# Altium PCB DB46.PcbDoc (part 3 of 6) (continued)
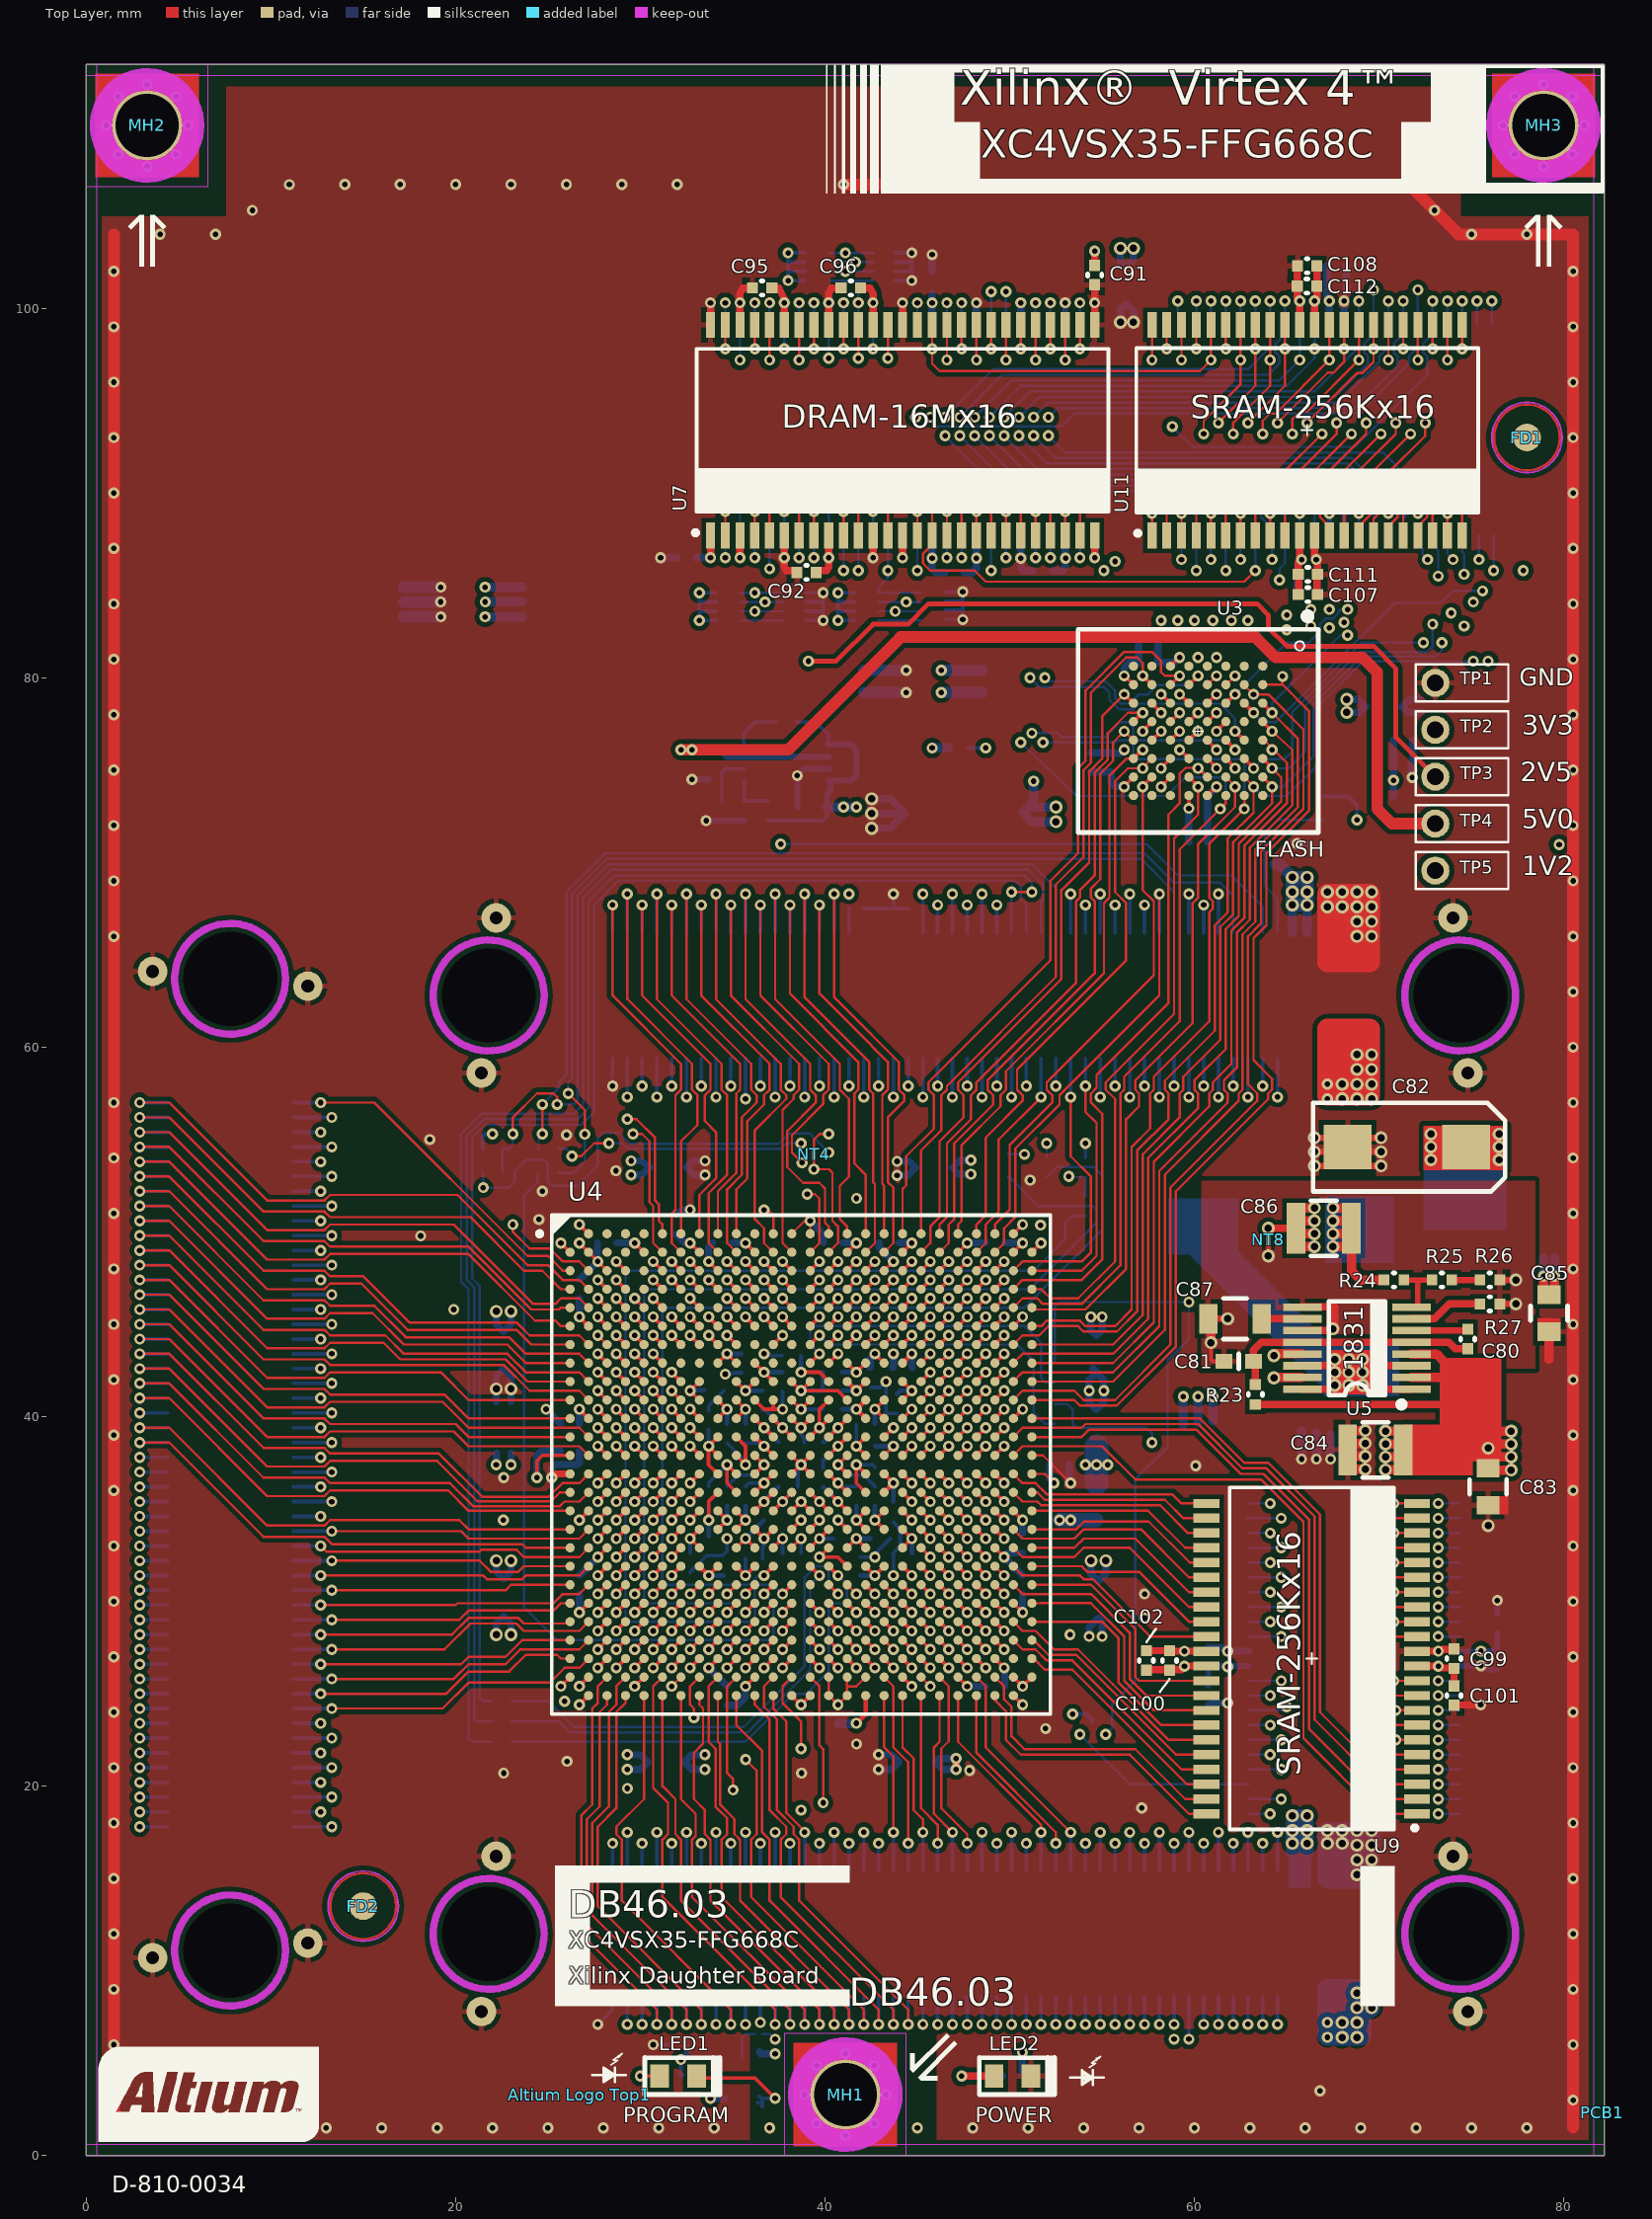
[diagram p0: Top Layer view]
## Nets (pads, with @x,y where several pads share a name; then routed paths per layer and width w, separated by ;. In a path a pad name is that pad's centre, name@x,y a point inside that pad or via, vN(x,y) a via of type N, cw(c..) or ccw(c..) an arc to the next point about the centre after c; other vN are vias at no path point) (continued)
  Bottom Layer w0.127: v2(49.7,94.1) 51.1,95.5 66.5,95.5 68.9,97.9 68.9,99.1 v2(68.9,100.4) ; v2@49.7,100.9 v2(49.8,100.9) U8.48@49.8,99.1
BUS_D29: U4.F17 U8.50 U12.36 | length 108.9
  Top Layer w0.2: U4.F17@42.2,44.9 v1(42.7,45.4)
  MidLayer2 w0.127: v2(50.5,94.1) 50.5,95.6 51.9,97 51.9,97.4 51.4,97.9 v2(51.4,100.3)
  MidLayer3 w0.127: v1(42.7,45.4) 43.2,45.9 43.2,48.7 43.8,49.3 43.8,51.5 43.8,51.8 44.9,52.9 49,57 49,57.5 48.7,57.8 48.7,58.1 49.9,59.3 49.9,67.8 49.6,68.1 49.6,68.6 51.7,70.7 62.9,70.7 70.2,78 70.2,86.4 71,87.2 71,89.1 70.6,89.5 70.4,89.5 69.9,90 69.9,90.4 69.6,90.7 69.6,93.4 69.8,93.6 69.8,94.1 69.7,94.2 69.7,97.1 70.2,97.6 70.2,98 69.7,98.5 v2(69.7,101)
  Bottom Layer w0.127: v2(50.5,94.1) 51.6,95.2 67.6,95.2 69.4,97 69.4,97.4 69.2,97.6 69.2,98.1 69.7,98.6 69.7,99.1 v2(69.7,101) ; U8.50@51.4,99.1 v2(51.4,100.3)
BUS_D30: U4.F19 U8.51 U12.37 | length 106.1
  Top Layer w0.2: U4.F19@44.2,44.9 v1(44.7,45.4)
  MidLayer2 w0.127: v2(51.3,94.1) 51.3,95.7 52.5,96.9 52.5,97.4 52.7,97.6 52.7,98 52.2,98.5 v2(52.2,100.3)
  MidLayer3 w0.127: v1(44.7,45.4) 45.2,45.9 45.2,51.5 45.2,51.8 45.2,52 49.4,56.2 49.8,56.2 50.6,57 50.6,57.5 50.3,57.8 50.3,58.3 51.8,59.8 51.8,69.1 52.8,70.1 63.1,70.1 70.8,77.8 70.8,86.2 71.6,87 71.6,89.1 71.8,89.3 71.8,90.6 70.6,91.8 70.6,93.4 70.4,93.6 70.4,94.1 70.5,94.2 70.5,96.4 71,96.9 71,97.4 70.5,97.9 v2(70.5,100.4)
  Bottom Layer w0.127: v2(51.3,94.1) 52.1,94.9 67.8,94.9 70,97.1 70,97.4 70.5,97.9 70.5,99.1 v2(70.5,100.4) ; U8.51@52.2,99.1 v2(52.2,100.3)
BUS_D31: U4.F20 U8.53 U12.38 | length 106.8
  Top Layer w0.2: U4.F20@45.2,44.9 v1(45.7,45.4)
  MidLayer2 w0.127: v2(52.1,94.1) 52.1,95.4 54.3,97.6 54.3,98.1 53.8,98.6 v2(53.8,100.3)
  MidLayer3 w0.127: v1(45.7,45.4) 46.2,45.9 46.2,49.1 46.6,49.5 46.6,50.6 49.9,53.9 49.9,54.7 52.2,57 52.2,57.5 51.9,57.8 51.9,58.2 52.4,58.7 52.4,68.7 53.2,69.5 63.3,69.5 71.6,77.8 71.6,86.2 72.6,87.2 72.6,89.1 72.4,89.3 72.4,89.7 72.8,90.1 72.8,90.5 71.2,92.1 71.2,93.4 71.4,93.6 71.4,94.1 71.3,94.2 71.3,97.1 71.8,97.6 71.8,98 71.3,98.5 v2(71.3,100.4)
  Bottom Layer w0.127: v2(52.1,94.1) 52.6,94.6 68.7,94.6 71,96.9 71,97.4 70.8,97.6 70.8,98.1 71.3,98.6 v2(71.3,100.4) ; U8.53@53.8,99.1 v2(53.8,100.3)
BUS_FLASH_NBUSY: U3.A4 U4.J25 | length 45.7
  Top Layer w0.127: U4.J25@50.2,41.9 50.7,42.4 52.8,42.4 53.1,42.4 55.6,42.4 58.1,44.9 58.1,53.3 61.8,57 61.8,57.5 61.6,57.7 61.6,58.2 62.3,58.9 62.3,66.2 63,66.9 63,70.8 65.3,73.1 65.3,76.1 v1(64.2,77.1)
  Top Layer w0.2: U3.A4@63.7,77.625 v1(64.2,77.1)
BUS_FLASH_NCS: U3.F2 U4.A19 | length 41.3
  Top Layer w0.127: U4.A19@44.2,49.9 44.2,51.5 44.2,51.8 44.2,52.325 44.4,52.525 44.4,54.1 45.9,55.6 45.9,57.4 45.6,57.7 45.6,58.1 52.2,64.7 52.2,69 53.7,70.5 53.7,75.1 54.1,75.5 54.1,79.3 56.2,81.4 57.7,81.4 58.2,80.9 58.2,80.3 58.4,80.1 v1(59.2,80.1) ; U3.F2@58.675,79.625 U3.F2@58.7,79.625
  Top Layer w0.2: U3.F2@58.7,79.625 v1(59.2,80.1)
BUS_FLASH_NRESET: U3.B5 U4.M23 | length 65.1
  Top Layer w0.2: U4.M23@48.2,38.9 v1(48.7,39.4) ; v1(62.2,77.1) U3.B5@62.7,76.625
  MidLayer1 w0.127: v1(48.7,39.4) 49.2,39.9 52.8,39.9 53.1,39.9 54.7,39.9 59,44.2 59,53.1 62.4,56.5 63.4,56.5 64,57.1 64,57.5 64.6,58.1 64.6,69.6 65,70 65,76.2 64.6,76.6 63.7,76.6 63.2,77.1 v1(62.2,77.1)
  Bottom Layer w0.127: v1(51.1,80) 51.6,79.5 55.1,79.5 55.4,79.2 55.4,78.8 55.9,78.3 56.7,78.3 57,78.6 61.4,78.6 62.2,77.8 v1(62.2,77.1)
BUS_NBE0: RN1.6 RN4.7 U4.E10 U7.15 U11.39 | length 107.9
  Top Layer w0.127: U7.15@45,87.7 v2(45,89) ; v2(61.7,97.8) U11.39@61.7,99.1
  Top Layer w0.2: v1(34.7,46.4) U4.E10@35.2,45.9
  MidLayer2 w0.127: v1(34.7,46.4) 34.2,46.9 34.2,51.5 34.2,51.8 34.2,54.9 36.2,56.9 36.2,57.4 35.9,57.7 35.9,58 36.7,58.8 41,58.8 42.7,60.5 42.7,68.1 44.1,69.5 51.4,69.5 53.4,71.5 53.4,75.9 54.1,76.6 54.1,82 60.2,88.1 61.4,88.1 62,88.7 62,89.1 62.2,89.3 62.2,89.7 61.6,90.3 61.6,93.4 61.8,93.6 61.8,94.1 61.7,94.2 v2(61.7,97.8) ; v1@44.25,84.1 44.25,85.75 45,86.5 v2(45,89)
  MidLayer3 w0.127: v2(45,89) 45,92.9 44.4,93.5 44.4,95.7 47.3,98.6 60.9,98.6 v2(61.7,97.8)
  Bottom Layer w0.127: RN1.6@42.89,84.1 RN4.7@45.21,84.1
  other v1: 44.4,84.1
BUS_NBE1: RN3.5 RN5.8 U4.B6 U7.39 U11.40 | length 101.7
  Top Layer w0.127: v1(29.6,55.3) 30.1,55.3 30.5,54.9 30.5,51.6 30.7,51.4 30.7,49.4 U4.B6@31.2,48.9 ; U7.39@45.8,99.1 v2(45.8,97.8) 45.8,97 46.2,96.6 60.3,96.6 v2(60.9,97.2) U11.40@60.9,99.1
  MidLayer2 w0.127: v1(29.6,55.3) 33.1,55.3 35.5,57.7 35.5,58 36.6,59.1 40.9,59.1 42.4,60.6 42.4,68.2 44,69.8 51.2,69.8 53.1,71.7 53.1,76.1 53.8,76.8 53.8,82.1 60.1,88.4 61.2,88.4 61.4,88.6 61.4,89.1 61.1,89.4 61.1,93.3 60.8,93.6 60.8,94.1 60.9,94.2 v2(60.9,97.2)
  MidLayer3 w0.127: v1@41.095,103 42,103 43.4,101.6 43.4,100.2 v2@45.8,97.8
  Bottom Layer w0.127: RN3.5@40.29,103 RN5.8@42.6,103
  other v1: 41.1,103
BUS_NBE2: RN1.5 RN4.8 U4.C16 U8.15 U12.39 | length 123.8
  Top Layer w0.178: U4.C16@41.2,47.9 v1(41.7,48.4)
  MidLayer2 w0.127: v1(41.7,48.4) 42.2,48.9 42.2,51.5 42.2,51.8 42.2,53.4 43.2,54.4 46,54.4 46.2,54.6 48.3,56.7 48.8,56.7 50.4,58.3 50.4,68 50.6,68.2 50.6,68.5 51,68.9 51.7,68.9 54,71.2 54,75.6 55.4,77 55.4,80.7 56.6,81.9 62.5,81.9 62.9,81.5 69,81.5 72.7,85.2 72.7,85.7 73.2,86.2 73.2,89.1 73.4,89.3 73.4,89.7 73.2,89.9 73.2,94.8 72.6,95.4 72.6,97.4 72.1,97.9 v2(72.1,101)
  MidLayer3 w0.127: v2(43.4,85.8) 43.4,86.6 45.5,88.7 45.5,89.2 45.3,89.4 45.3,93.7 v2(45.7,94.1)
  Bottom Layer w0.127: U8.15@43.4,87.7 v2(43.4,85.8) 43.4,85.4 42.9,84.9 42.9,84.61 42.89,84.6 RN4.8@45.2,84.6 ; v2@45.7,93.9 46,93.6 52.8,93.6 53.5,94.3 68.9,94.3 71.6,97 71.6,97.4 72.1,97.9 72.1,99.1 v2(72.1,101)
BUS_NBE3: RN3.6 RN5.7 U4.E17 U8.39 U12.40 | length 127.8
  Top Layer w0.2: U4.E17@42.2,45.9 v1(42.7,46.4)
  MidLayer1 w0.127: v2(44.9,94.1) 45.4,93.6 v2(58.8,93.6)
  MidLayer2 w0.127: v2(42.6,97.8) 42.6,96.4 v2(44.9,94.1) ; v1(42.7,46.4) 43.2,46.9 43.2,49.5 43.8,50.1 43.8,51.5 43.8,51.8 43.8,52.1 44.5,52.8 44.5,53.6 45,54.1 46.1,54.1 47.2,55.2 48.4,56.4 50.1,56.4 51.4,57.7 51.4,67.8 51.7,68.1 51.7,68.4 54.3,71 54.3,75.4 55.7,76.8 55.7,80.6 56.7,81.6 62.4,81.6 62.8,81.2 69.8,81.2 71,82.4 73.1,82.4 73.4,82.7 73.4,84.1 74.1,84.8 74.1,85.8 74.5,86.2 74.5,89.2 74.2,89.5 74.2,90.8 73.5,91.5 73.5,95.25 73.2,95.55 73.2,97.4 73.4,97.6 73.4,98.2 72.9,98.7 v2(72.9,100.4)
  MidLayer3 w0.127: v1@41.695,102.5 43.1,101.095 43.1,98.3 v2(42.6,97.8)
  Bottom Layer w0.127: RN3.6@40.29,102.5 v1(41.65,102.5) RN5.7@42.575,102.5 RN5.7@42.61,102.5 ; v2(42.6,97.8) U8.39@42.6,99.1 ; v2(58.8,93.6) 59.9,92.5 68.7,92.5 72.6,96.4 72.6,97.4 72.4,97.6 72.4,98.1 72.9,98.6 72.9,99.1 v2(72.9,100.4)
BUS_NOE: U3.G2 U4.A20 U11.41 U12.41 | length 97.9
  Top Layer w0.127: U4.A20@45.2,49.9 45.2,51.5 45.2,51.8 45.2,54.4 46.3,55.5 46.3,57.4 46.6,57.7 46.6,57.9 52.5,63.8 52.5,68.8 54,70.3 54,75 54.4,75.4 54.4,79.2 56.3,81.1 56.9,81.1 57.2,80.8 v1@57.2,80.125 ; v1@57.3,80.025 57.3,80.1 v1@57.3,80.125 ; v2(60.1,97.8) U11.41@60.1,99.1
  Top Layer w0.2: v1@57.2,80.125 57.213,80.113 57.3,80.025 U3.G2@57.7,79.625
  MidLayer3 w0.127: v2(73.7,100.4) 73.7,97.9 74.7,96.9 74.7,90.4 74.3,90 74.3,89.5 74.5,89.3 74.5,86.2 74.1,85.8 74.1,84.2 73.9,84 v1(73.9,83.5)
  MidLayer4 w0.127: v1(57.2,80.1) 57.2,82.9 58.5,84.2 73.2,84.2 v1(73.9,83.5) ; v2(60.1,97.8) 60.1,96.9 60.3,96.7 73.9,96.7 74.2,97 74.2,97.4 73.7,97.9 v2(73.7,100.4)
  Bottom Layer w0.127: U12.41@73.7,99.1 v2(73.7,100.4)
BUS_NWE: RN1.7 RN4.6 U3.A5 U4.H26 U7.16 U8.16 U11.17 U12.17 | length 121.6
  Top Layer w0.127: U7.16@45.8,87.7 v2(45.8,89.6) ; U7.16@45.8,87.9 45.8,87.2 45.3,86.7 45.3,86.2 45.7,85.8 48.1,85.8 48.7,85.2 62.7,85.2 v1(63.3,85.8) ; U4.H26@51.2,42.9 52.8,42.9 53.1,42.9 55.6,42.9 57.8,45.1 57.8,53.8 60.8,56.8 60.8,57.5 61,57.7 61,58.1 62,59.1 62,66.3 62.7,67 62.7,70.9 65,73.2 65,75.4 63.775,76.625 U3.A5@63.7,76.625 ; U11.17@70.5,87.7 70.5,88.2 71,88.7 71,89.1 70.8,89.3 70.8,89.8 v1(71.3,90.3)
  MidLayer1 w0.127: v1(64.2,76.1) 63.7,76.1 63.2,76.6 62,76.6 61.7,76.9 61.7,78.3 61.4,78.6 60.9,78.6 60.7,78.8 60.7,79.3 61,79.6 61.4,79.6 61.7,79.9 61.7,80.3 62,80.6 63.3,80.6 63.9,81.2 69.3,81.2 71.1,83 71.1,89 70.8,89.3 70.8,89.8 v1(71.3,90.3)
  MidLayer2 w0.127: v2(42.6,89) 42.6,87.2 43.1,86.7 43.1,86.3 42.9,86.1 42.9,84.4 v1@43.7,83.6
  MidLayer4 w0.127: v2(42.6,89) 43.7,89 44.3,89.6 v2(45.8,89.6) ; v1(63.3,85.8) 62.4,85.8 62,86.2 62,86.7 63.6,88.3 69.2,88.3 v1@71.25,90.35
  Bottom Layer w0.127: U8.16@42.6,87.7 v2(42.6,89) ; RN1.7@42.88,83.6 45.2,83.6 RN4.6@45.21,83.6 ; v1(63.3,85.8) U12.17@63.3,87.7
  other v1: 43.8,83.6
BUS_SDRAM_CKE: RN3.7 RN5.6 U4.G17 U7.37 U8.37 | length 83.5
  Top Layer w0.127: v2(47.4,97.8) U7.37@47.4,99.1
  Top Layer w0.2: U4.G17@42.2,43.9 v1(42.7,44.4)
  MidLayer3 w0.127: v2(41,100.3) 41,101 41.12,101.12 v1@41.12,102 ; v2(47.4,97.8) 47.4,97 49.5,94.9 53.3,94.9 55.7,92.5 v1(55.7,86.3)
  MidLayer4 w0.127: v2(41,100.3) 41.6,100.9 42.8,100.9 44.6,99.1 46.1,99.1 v2(47.4,97.8) ; v1(42.7,44.4) 43.2,44.9 43.2,49.1 44.2,50.1 44.2,51.5 44.2,51.8 44.2,52.6 44.4,52.8 44.4,57.3 43.9,57.8 43.9,66.2 46.1,68.4 46.1,68.7 48.6,71.2 53.1,71.2 54.1,72.2 54.1,82.5 55.7,84.1 v1(55.7,86.3)
  Bottom Layer w0.127: U8.37@41,99.1 v2(41,100.3) ; v1@41.075,102 40.29,102 RN5.6@42.575,102 RN5.6@42.61,102
  other v1: 41.1,102
BUS_SDRAM_CLK: NT4.2 RN3.8 RN5.5 U4.F13 U7.38 U8.38 | length 86.7
  Top Layer w0.127: NT4.2@39.4,54.471 39.4,55 39.7,55.3 v1(40.2,55.3) ; v2(46.6,97.2) U7.38@46.6,99.1
  Top Layer w0.2: v1(37.7,45.4) U4.F13@38.2,44.9
  MidLayer3 w0.127: v1(37.7,45.4) 37.2,45.9 37.2,49.699 36.195,50.703 36.195,53.177 36.854,53.835 36.854,54.456 37.698,55.3 v1(40.2,55.3) ; v2(46.6,97.2) 49.2,94.6 53.1,94.6 55.1,92.6 v1(55.1,85.8)
  MidLayer4 w0.127: v1(40.2,55.3) 41,55.3 43.459,57.76 43.459,67.309 47.65,71.5 53,71.5 53.8,72.3 53.8,82.6 55.4,84.2 55.4,85.1 55.1,85.4 v1(55.1,85.8) ; v2(41.8,100.3) 43.3,98.8 45.7,98.8 46.6,97.9 v2(46.6,97.2)
  Bottom Layer w0.127: RN3.8@40.29,101.5 RN5.5@42.575,101.5 RN5.5@42.61,101.5 ; U8.38@41.8,99.1 41.8,101.5
BUS_SDRAM_FEEDBACK: NT4.1 U4.B15 | length 6.3
  Top Layer w0.127: NT4.1@39.395,53.962 v1(39.395,53.391) 40.208,53.391 40.4,53.199 40.4,51.8 40.4,51.5 40.4,50.6 40.7,50.3 40.7,49.4 U4.B15@40.2,48.9
BUS_SDRAM_NCAS: RN2.7 RN6.6 U4.G18 U7.17 U8.17 | length 80
  Top Layer w0.127: U7.17@46.6,87.7 46.6,88.9 v1(46.6,89)
  Top Layer w0.2: U4.G18@43.2,43.9 v1(43.7,44.4)
  MidLayer3 w0.127: v1@36.175,83.6 37.1,83.6 38.6,85.1 41.1,85.1 v2(41.8,85.8)
  MidLayer4 w0.127: v2(41.8,85.8) 41.8,86.4 42.4,87 44.6,87 v1(46.6,89) 48.017,87.3 55.4,87.3 56.2,86.5 56.2,84.1 54.4,82.3 54.4,72.1 53.2,70.9 48.8,70.9 46.4,68.5 46.4,68.1 46.6,67.9 46.6,59.8 45.1,58.3 45.1,57.8 44.7,57.4 44.7,51.8 44.7,51.5 44.7,50.2 44.2,49.7 44.2,44.9 v1(43.7,44.4)
  Bottom Layer w0.127: RN2.7@35.39,83.6 36.175,83.6 RN6.6@37.675,83.6 RN6.6@37.71,83.6 ; v2(41.8,85.8) U8.17@41.8,87.7
  other v1: 36.2,83.6
BUS_SDRAM_NCS: RN2.5 RN6.8 U4.G19 U7.19 U8.19 | length 84.5
  Top Layer w0.127: U7.19@48.2,87.7 v2(48.2,89)
  Top Layer w0.2: U4.G19@44.2,43.9 v1(44.7,44.4)
  MidLayer3 w0.127: v1(36.2,84.6) 36.7,84.6 37.047,84.947 37.8,85.7 40.1,85.7 40.7,86.3 40.7,87.3 40.2,87.8 v2(40.2,89.6)
  MidLayer4 w0.127: v2(40.2,89.6) 40.2,88.9 41.2,87.9 44.8,87.9 46.4,89.5 46.8,89.5 47.3,89 v2(48.2,89) 49.6,87.6 55.5,87.6 56.5,86.6 56.5,83.9 55.4,82.8 55.4,72.7 53.3,70.6 49.6,70.6 47.4,68.4 47.4,68.1 47.2,67.9 47.2,59.8 45.5,58.1 45.5,57.8 45.8,57.5 45.8,56.7 45.2,56.1 45.2,51.8 45.2,51.5 45.2,44.9 v1(44.7,44.4)
  Bottom Layer w0.127: v1(36.2,84.6) 35.39,84.6 RN6.8@37.675,84.6 RN6.8@37.7,84.6 ; U8.19@40.2,87.7 v2(40.2,89.6)
BUS_SDRAM_NRAS: RN2.6 RN6.7 U4.G20 U7.18 U8.18 | length 79.9
  Top Layer w0.127: U7.18@47.4,87.7 v1(47.4,89.6)
  Top Layer w0.2: U4.G20@45.2,43.9 v1(45.7,44.4)
  MidLayer1 w0.127: v2(41,85.8) 42.9,87.7 44.6,87.7 46.5,89.6 v1(47.4,89.6)
  MidLayer3 w0.127: v1(36.75,84.1) 38.05,85.4 40.6,85.4 v2(41,85.8)
  MidLayer4 w0.127: v1(45.7,44.4) 46.2,44.9 46.2,51.5 46.2,51.8 46.2,57.3 48.3,59.4 48.3,67.8 48,68.1 48,68.6 49.7,70.3 53.4,70.3 55.7,72.6 55.7,82.6 56.8,83.7 56.8,86.7 55.6,87.9 50,87.9 48.3,89.6 v1(47.4,89.6) v1@47.2,89.7
  Bottom Layer w0.127: RN2.6@35.39,84.1 v1(36.75,84.1) RN6.7@37.675,84.1 RN6.7@37.71,84.1 ; v2(41,85.8) U8.18@41,87.7
BUS_SRAM_NCS: U4.G9 U11.6 U12.6 | length 92.6
  Top Layer w0.127: U11.6@61.7,87.7 61.7,89 v2(61.7,89.5)
  Top Layer w0.2: v1(33.7,44.4) U4.G9@34.2,43.9
  MidLayer2 w0.127: v1(33.7,44.4) 34.2,44.9 35.1,44.9 35.2,45 35.2,51.5 35.2,51.8 35.2,55.2 36.8,56.8 36.8,57.5 37.8,58.5 41.1,58.5 43,60.4 43,66.8 45.4,69.2 51.5,69.2 53.7,71.4 53.7,75.7 54.4,76.4 54.4,80.125 56.475,82.2 62.6,82.2 63,81.8 68.8,81.8 72.2,85.2 72.2,85.975 v2(72.625,86.4)
  MidLayer4 w0.127: v2(61.7,89.5) 61.7,86.5 61.2,86 61.2,85.5 61.9,84.8 71.025,84.8 v2(72.625,86.4)
  Bottom Layer w0.127: U12.6@72.1,87.7 72.1,87.209 72.363,86.946 72.363,86.663 v2(72.625,86.4)
BUZZER: HDR_B1.40 U4.AF18 | length 9.7
  Top Layer w0.127: U4.AF18@43.2,24.9 43.2,23.3 43.2,23 43.2,22.1 43.7,21.6 v2(43.7,17.5)
  Bottom Layer w0.2: HDR_B1.40@43.7,15.4 v2(43.7,17.5)
CAN_RXD: HDR_T1.14 U4.A10 | length 21.6
  Top Layer w0.127: v2(33.3,67.7) 33.3,62.8 37,59.1 37,57.7 36.7,57.4 36.7,56.9 35.8,56 35.8,52.9 35.2,52.3 35.2,51.8 35.2,51.5 U4.A10@35.2,49.9
  Bottom Layer w0.2: HDR_T1.14@33.3,66.2 v2(33.3,67.7)
CAN_TXD: HDR_T1.16 U4.B12 | length 24.2
  Top Layer w0.127: v2(34.1,68.3) 34.1,62.6 37.6,59.1 37.6,57.7 37.9,57.4 37.9,57.2 36.2,55.5 36.2,51.8 36.2,51.5 36.2,50.7 36.7,50.2 36.7,49.4 U4.B12@37.2,48.9
  Bottom Layer w0.2: HDR_T1.16@34.1,66.2 v2(34.1,68.3)
CCLK: R17.2 U4.G14 | length 17.1
  Top Layer w0.2: U4.G14@39.2,43.9 39.687,44.412 v1@39.7,44.425
  Bottom Layer w0.127: v1(39.7,44.4) 40.2,43.9 50.4,43.9 51.3,43 51.3,40.2 51.888,39.612 R17.2@52.451,39.612
COMP: C80.2 U5.6 | length 3.1
  Top Layer w0.35: U5.6@71.744,44.659 74.734,44.659 C80.2@74.8,44.725
DAU_RESET_SW: HDR_B1.38 U4.AC15 | length 14
  Top Layer w0.2: U4.AC15@40.2,27.9 v1(40.7,27.4)
  MidLayer1 w0.127: v1(40.7,27.4) 40.2,26.9 40.2,23.3 40.2,23 40.2,22 42.9,19.3 v2(42.9,16.9)
  Bottom Layer w0.2: HDR_B1.38@42.9,15.4 v2(42.9,16.9)
DAU_TFT_BLIGHT: HDR_B1.91 U4.AA14 | length 48.9
  Top Layer w0.2: U4.AA14@39.2,29.9 v1(39.7,29.4)
  MidLayer3 w0.127: v1(39.7,29.4) 40.2,28.9 40.2,23.3 40.2,23 40.2,21.2 40.5,20.9 40.5,18.4 38.6,16.5 38.6,12.4 40.9,10.1 62.3,10.1 64.5,7.9 v2(64.5,7.1)
  Bottom Layer w0.2: v2(64.5,7.1) HDR_B1.91@64.5,8.6
DAU_TFT_BLUE0: HDR_B1.62 U4.AF23 | length 11.3
  Top Layer w0.127: U4.AF23@48.2,24.9 48.2,23.3 48.2,23 48.2,21.8 52.5,17.5 v2(52.5,16.9)
  Bottom Layer w0.2: HDR_B1.62@52.5,15.4 v2(52.5,16.9)
DAU_TFT_BLUE1: HDR_B1.64 U4.AE23 | length 12.6
  Top Layer w0.127: U4.AE23@48.2,25.9 48.7,25.4 48.7,23.3 48.7,23 48.7,22.1 v2@53.3,17.5
  Bottom Layer w0.2: HDR_B1.64@53.3,15.4 v2(53.3,17.5)
DAU_TFT_BLUE2: HDR_B1.66 U4.W7 | length 41.1
  Top Layer w0.2: v1(31.7,31.4) U4.W7@32.2,31.9
  MidLayer4 w0.127: v1(31.7,31.4) 31.2,30.9 30.4,30.9 30.2,30.7 30.2,23.3 30.2,23 30.2,19.1 33.2,16.1 53.3,16.1 v2(54.1,16.9)
  Bottom Layer w0.2: HDR_B1.66@54.1,15.4 v2(54.1,16.9)
DAU_TFT_BLUE3: HDR_B1.68 U4.V7 | length 47.1
  Top Layer w0.2: v1(31.7,32.4) U4.V7@32.2,32.9
  MidLayer4 w0.127: v1(31.7,32.4) 31.2,31.9 29.5,31.9 29.2,31.6 29.2,23.3 29.2,23 29.2,22.7 28.6,22.1 28.6,19.1 31.9,15.8 53.8,15.8 54.9,16.9 v2(54.9,17.5)
  Bottom Layer w0.2: HDR_B1.68@54.9,15.4 v2(54.9,17.5)
DAU_TFT_BLUE4: HDR_B1.70 U4.U7 | length 49.8
  Top Layer w0.2: v1(31.7,33.4) U4.U7@32.2,33.9
  MidLayer4 w0.127: v1(31.7,33.4) 31.2,32.9 28.5,32.9 28.2,32.6 28.2,23.3 28.2,23 28.2,17.9 30.6,15.5 54.3,15.5 v2(55.7,16.9)
  Bottom Layer w0.2: HDR_B1.70@55.7,15.4 v2(55.7,16.9)
DAU_TFT_CL1: HDR_B1.88 U4.J7 | length 84
  Top Layer w0.2: v1(31.7,42.4) U4.J7@32.2,41.9
  MidLayer4 w0.127: v1(31.7,42.4) 31.2,42.9 27.2,42.9 26.7,43.4 24.6,43.4 24.3,43.4 22.4,43.4 20.8,41.8 20.8,20 28,12.8 58.8,12.8 62.9,16.9 v2(62.9,17.5)
  Bottom Layer w0.2: HDR_B1.88@62.9,15.4 v2(62.9,17.5)
DAU_TFT_CL2: HDR_B1.90 U4.G7 | length 86.1
  Top Layer w0.2: v1(31.7,44.4) U4.G7@32.2,43.9
  MidLayer4 w0.127: v1(31.7,44.4) 31.2,43.9 24.6,43.9 24.3,43.9 22.5,43.9 20.4,41.8 20.4,20 27.9,12.5 59.3,12.5 v2(63.7,16.9)
  Bottom Layer w0.2: v2(63.7,16.9) HDR_B1.90@63.7,15.4 v2(63.7,16.9)
DAU_TFT_CL3: HDR_B1.92 U4.G8 | length 89.1
  Top Layer w0.2: v1(32.7,44.4) U4.G8@33.2,43.9
  MidLayer4 w0.127: v1(32.7,44.4) 32.2,44.9 24.6,44.9 24.3,44.9 23.1,44.9 20,41.8 20,20 27.8,12.2 59.8,12.2 64.5,16.9 v2(64.5,17.5)
  Bottom Layer w0.2: HDR_B1.92@64.5,15.4 v2(64.5,17.5)
DAU_TFT_DISP_ON: HDR_B1.89 U4.AA13 | length 48.4
  Top Layer w0.2: v1(37.7,29.4) U4.AA13@38.2,29.9
  MidLayer3 w0.127: v1(37.7,29.4) 37.2,28.9 37.2,23.3 37.2,23 37.2,18.4 36.8,18 36.8,17.3 37.1,17 37.1,13.4 40.7,9.8 61.8,9.8 63.7,7.9 v2(63.7,7.1)
  Bottom Layer w0.2: v2(63.7,7.1) HDR_B1.89@63.7,8.6
DAU_TFT_GREEN0: HDR_B1.72 U4.T7 | length 57.4
  Top Layer w0.2: v1(31.7,34.4) U4.T7@32.2,34.9
  MidLayer4 w0.127: v1(31.7,34.4) 31.3,33.9 27.4,33.9 27.1,33.9 25.1,31.9 25.1,19.5 29.4,15.2 54.8,15.2 56.5,16.9 v2(56.5,17.5)
  Bottom Layer w0.2: HDR_B1.72@56.5,15.4 v2(56.5,17.5)
DAU_TFT_GREEN1: HDR_B1.74 U4.R7 | length 59.2
  Top Layer w0.2: v1(31.7,35.4) U4.R7@32.2,35.9
  MidLayer4 w0.127: v1(31.7,35.4) 31.2,34.9 26.2,34.9 24.8,33.5 24.8,19.3 29.2,14.9 55.3,14.9 v2(57.3,16.9)
  Bottom Layer w0.2: HDR_B1.74@57.3,15.4 v2(57.3,16.9)
DAU_TFT_GREEN2: HDR_B1.76 U4.P7 | length 62.9
  Top Layer w0.2: v1(31.7,36.4) U4.P7@32.2,36.9
  MidLayer4 w0.127: v1(31.7,36.4) 31.2,35.9 26.4,35.9 24.5,34 24.5,19.125 24.504,19.121 29.025,14.6 55.8,14.6 58.1,16.9 v2(58.1,17.5)
  Bottom Layer w0.2: HDR_B1.76@58.1,15.4 v2(58.1,17.5)
DAU_TFT_GREEN3: HDR_B1.78 U4.T8 | length 68
  Top Layer w0.2: v1(32.7,34.4) U4.T8@33.2,34.9
  MidLayer4 w0.127: 28.9,14.3 56.3,14.3 v2(58.9,16.9) ; 28.9,14.304 24.2,19.004 24.2,34.4 26.7,36.9 33,36.9 33.2,36.7 33.2,34.9 v1(32.7,34.4)
  Bottom Layer w0.2: HDR_B1.78@58.9,15.4 v2(58.9,16.9)
DAU_TFT_GREEN4: HDR_B1.80 U4.N7 | length 70.4
  Top Layer w0.2: v1(31.7,38.4) U4.N7@32.2,37.9
  MidLayer4 w0.127: v1(31.7,38.4) 31.2,38.9 26.3,38.9 24.1,38.9 23.9,38.7 23.9,18.8 28.7,14 56.8,14 59.7,16.9 v2(59.7,17.5)
  Bottom Layer w0.2: HDR_B1.80@59.7,15.4 v2(59.7,17.5)
DAU_TFT_GREEN5: HDR_B1.82 U4.M7 | length 71.7
  Top Layer w0.2: v1(31.7,39.4) U4.M7@32.2,38.9
  MidLayer4 w0.127: v1(31.7,39.4) 31.2,39.9 24.3,39.9 23.6,39.2 23.6,18.6 28.5,13.7 57.3,13.7 v2(60.5,16.9)
  Bottom Layer w0.2: HDR_B1.82@60.5,15.4 v2(60.5,16.9)
DAU_TFT_IRQ: HDR_B1.81 U4.AA9 | length 48.2
  Top Layer w0.2: v1(33.7,29.4) U4.AA9@34.2,29.9
  MidLayer3 w0.127: v1(33.7,29.4) 33.2,28.9 33.2,25.7 33.4,25.5 33.4,23.3 33.4,23 33.4,22.8 32.8,22.2 32.8,18.1 33.8,17.1 33.8,14.7 39.9,8.6 59.8,8.6 60.5,7.9 v2(60.5,7.1)
  Bottom Layer w0.2: v2(60.5,7.1) HDR_B1.81@60.5,8.6
DAU_TFT_M: HDR_B1.87 U4.AA12 | length 48.2
  Top Layer w0.2: v1(36.7,29.4) U4.AA12@37.2,29.9
  MidLayer3 w0.127: v1(36.7,29.4) 36.2,28.9 36.2,23.3 36.2,23 36.2,17.3 35.9,17 35.9,14.1 40.5,9.5 61.3,9.5 62.9,7.9 v2(62.9,7.1)
  Bottom Layer w0.2: v2(62.9,7.1) HDR_B1.87@62.9,8.6
DAU_TFT_MUX: HDR_B1.85 U4.AA11 | length 48.3
  Top Layer w0.2: v1(35.7,29.4) U4.AA11@36.2,29.9
  MidLayer3 w0.127: v1(35.7,29.4) 35.2,28.9 35.2,23.3 35.2,23 35.2,21.003 35.692,20.511 35.692,19.344 35.2,18.852 35.2,17.3 35.5,17 35.5,14 40.3,9.2 60.8,9.2 62.1,7.9 v2(62.1,7.1)
  Bottom Layer w0.2: v2(62.1,7.1) HDR_B1.85@62.1,8.6
DAU_TFT_POL: HDR_B1.83 U4.AA10 | length 48
  Top Layer w0.2: v1(34.7,29.4) U4.AA10@35.2,29.9
  MidLayer3 w0.127: v1(34.7,29.4) 34.2,28.9 34.2,23.3 34.2,23 34.2,18.437 34.7,17.937 34.7,17.4 34.4,17.1 34.4,14.6 40.1,8.9 60.3,8.9 61.3,7.9 v2(61.3,7.1)
  Bottom Layer w0.2: v2(61.3,7.1) HDR_B1.83@61.3,8.6
DAU_TFT_RED0: HDR_B1.52 U4.Y7 | length 33.3
  Top Layer w0.2: v1(31.7,30.4) U4.Y7@32.2,30.9
  MidLayer4 w0.127: v1(31.7,30.4) 31.2,29.9 31.2,23.3 31.2,23 31.2,19.7 34.5,16.4 48.2,16.4 48.5,16.7 v2(48.5,17.5)
  Bottom Layer w0.2: HDR_B1.52@48.5,15.4 v2(48.5,17.5)
DAU_TFT_RED1: HDR_B1.54 U4.Y8 | length 31.5
  Top Layer w0.2: v1(32.7,30.4) U4.Y8@33.2,30.9
  MidLayer4 w0.127: v1(32.7,30.4) 32.2,29.9 32.2,25.1 31.8,24.7 31.8,23.3 31.8,23 31.8,21 34.801,17.998 48.801,17.998 49.3,17.5 v2(49.3,16.9)
  Bottom Layer w0.2: HDR_B1.54@49.3,15.4 v2(49.3,16.9)
DAU_TFT_RED2: HDR_B1.56 U4.Y9 | length 32.1
  Top Layer w0.2: v1(33.7,30.4) U4.Y9@34.2,30.9
  MidLayer4 w0.127: v1(33.7,30.4) 33.2,29.9 33.2,25.4 32.2,24.4 32.2,23.3 32.2,23 32.2,21.2 32.999,20.401 37.799,20.401 39,19.2 39.9,18.3 49.3,18.3 v2(50.1,17.5)
  Bottom Layer w0.2: HDR_B1.56@50.1,15.4 v2(50.1,17.5)
DAU_TFT_RED3: HDR_B1.58 U4.Y10 | length 28.2
  Top Layer w0.2: v1(34.7,30.4) U4.Y10@35.2,30.9
  MidLayer4 w0.127: v1(34.7,30.4) 34.2,29.9 34.2,25.06 34.933,24.326 37.414,24.326 43.141,18.6 49.8,18.6 50.9,17.5 v2(50.9,16.9)
  Bottom Layer w0.2: HDR_B1.58@50.9,15.4 v2(50.9,16.9)
DAU_TFT_RED4: HDR_B1.60 U4.AF22 | length 11.4
  Top Layer w0.127: U4.AF22@47.2,24.9 47.2,23.3 47.2,23 47.2,22.4 51.7,17.9 v2(51.7,17.5)
  Bottom Layer w0.2: HDR_B1.60@51.7,15.4 v2(51.7,17.5)
DAU_TFT_STH: HDR_B1.86 U4.K7 | length 80.9
  Top Layer w0.2: v1(31.7,41.4) U4.K7@32.2,40.9
  MidLayer4 w0.127: v1(31.7,41.4) 31.2,41.9 27,41.9 26,42.9 24.6,42.9 24.3,42.9 22.3,42.9 21.2,41.8 21.2,20 28.1,13.1 58.3,13.1 v2(62.1,16.9)
  Bottom Layer w0.2: HDR_B1.86@62.1,15.4 v2(62.1,16.9)
DAU_TFT_STV: HDR_B1.84 U4.L7 | length 76.9
  Top Layer w0.2: v1(31.7,40.4) U4.L7@32.2,39.9
  MidLayer4 w0.127: v1(31.7,40.4) 31.3,40.9 27.4,40.9 24.6,40.9 24.3,40.9 21.6,38.2 21.6,20.1 28.3,13.4 57.8,13.4 61.3,16.9 v2(61.3,17.5)
  Bottom Layer w0.2: HDR_B1.84@61.3,15.4 v2(61.3,17.5)
DIP0: HDR_B1.22 U4.AD12 | length 11.8
  Top Layer w0.2: v1(36.7,26.4) U4.AD12@37.2,26.9
  MidLayer1 w0.127: v2(36.5,16.9) 36.5,17.6 36.7,17.8 36.7,23 36.7,23.3 v1(36.7,26.4)
  Bottom Layer w0.2: HDR_B1.22@36.5,15.4 v2(36.5,16.9)
DIP1: HDR_B1.24 U4.AC12 | length 13.1
  Top Layer w0.2: v1(36.7,27.4) U4.AC12@37.2,27.9
  MidLayer1 w0.127: v1(36.7,27.4) 37.2,26.9 37.2,23.3 37.2,23 37.2,21.9 37.3,21.8 v2(37.3,17.5) v2@37.2,17.6
  Bottom Layer w0.2: HDR_B1.24@37.3,15.4 v2(37.3,17.5)
DIP2: HDR_B1.26 U4.AD13 | length 11.9
  Top Layer w0.2: v1(37.7,26.4) U4.AD13@38.2,26.9
  MidLayer1 w0.127: v1(37.7,26.4) 37.7,23.3 37.7,23 37.7,18 38.1,17.6 v2(38.1,16.9)
  Bottom Layer w0.2: HDR_B1.26@38.1,15.4 v2(38.1,16.9)
DIP3: HDR_B1.28 U4.AF12 | length 10.2
  Top Layer w0.127: U4.AF12@37.2,24.9 37.2,24.2 37.9,23.5 37.9,22.8 37.9,22.5 37.9,18.559 38.9,17.559 v2(38.9,17.5)
  Bottom Layer w0.2: HDR_B1.28@38.9,15.4 v2(38.9,17.5)
DIP4: HDR_B1.30 U4.AC13 | length 13.9
  Top Layer w0.2: v1(37.7,27.4) U4.AC13@38.2,27.9
  MidLayer1 w0.127: v1(37.7,27.4) 38.2,26.9 38.2,26.1 38,25.9 38,23.3 38,23 38,19.8 38.5,19.3 38.916,19.3 39.3,18.916 39.3,18.6 39.7,18.2 v2(39.7,16.9)
  Bottom Layer w0.2: HDR_B1.30@39.7,15.4 v2(39.7,16.9)
DIP5: HDR_B1.32 U4.AC6 | length 28.9
  Top Layer w0.2: v1(30.7,27.4) U4.AC6@31.2,27.9
  MidLayer1 w0.127: v1(30.7,27.4) 30.2,26.9 30.2,25 29.9,24.7 29.9,23.3 29.9,23 29.9,19.2 28,17.3 28,16.6 28.9,15.7 39.7,15.7 40.5,16.5 v2(40.5,17.5)
  Bottom Layer w0.2: HDR_B1.32@40.5,15.4 v2(40.5,17.5)
DIP6: HDR_B1.34 U4.AC14 | length 13.8
  Top Layer w0.2: U4.AC14@39.2,27.9 v1(39.7,27.4)
  MidLayer1 w0.127: v1(39.7,27.4) 39.2,26.9 39.2,23.3 39.2,23 39.2,21.7 41.3,19.6 v2(41.3,16.9)
  Bottom Layer w0.2: HDR_B1.34@41.3,15.4 v2(41.3,16.9)
DIP7: HDR_B1.36 U4.AD14 | length 12.7
  Top Layer w0.2: U4.AD14@39.2,26.9 v1(39.7,26.4)
  MidLayer1 w0.127: v1(39.7,26.4) 39.7,23.3 39.7,23 39.7,21.9 42.1,19.5 v2(42.1,17.5)
  Bottom Layer w0.2: HDR_B1.36@42.1,15.4 v2(42.1,17.5)
DONE: R16.2 U4.H14 | length 18
  Top Layer w0.2: U4.H14@39.2,42.9 v1(39.7,43.4)
  Bottom Layer w0.127: v1(39.7,43.4) 39.2,43.9 39.2,44.7 39.4,44.9 50.8,44.9 51.7,44 51.7,42.1 51.938,41.862 R16.2@52.451,41.862 ; R16.2@52.451,41.9 R16.2@52.5,41.9
EXTEND_A0: HDR_L1.1 U4.D2 | length 30.2
  Top Layer w0.127: v2(2.9,57) 4.5,57 9.8,51.7 12.9,51.7 13.2,52 20.1,52 23.9,48.2 24.3,48.2 24.6,48.2 25,48.2 25.8,47.4 26.7,47.4 U4.D2@27.2,46.9
  Bottom Layer w0.2: v2(2.9,57) HDR_L1.1@4.4,57
EXTEND_A1: HDR_L1.3 U4.D1 | length 29.1
  Top Layer w0.127: v2(2.9,56.2) 3.9,56.2 ; 3.5,56.2 4.5,56.2 9.6,51.1 12.9,51.1 13.2,50.8 20.8,50.8 23.7,47.9 24.3,47.9 24.6,47.9 24.7,47.9 25.7,46.9 U4.D1@26.2,46.9
  Bottom Layer w0.2: v2(2.9,56.2) HDR_L1.3@4.4,56.2
EXTEND_A2: HDR_L1.5 U4.E2 | length 30.7
  Top Layer w0.127: v2(2.9,55.4) 4,55.4 ; 3.5,55.4 4.5,55.4 9.8,50.1 12.9,50.1 13.2,50.4 19.9,50.4 24.2,46.1 24.3,46.1 24.6,46.1 25.4,46.1 25.7,46.4 26.7,46.4 U4.E2@27.2,45.9
  Bottom Layer w0.2: v2(2.9,55.4) HDR_L1.5@4.4,55.4
EXTEND_A3: HDR_L1.7 U4.E1 | length 28.9
  Top Layer w0.127: v2(2.9,54.6) 3.9,54.6 ; 3.5,54.6 4.5,54.6 9.6,49.5 12.9,49.5 13.2,49.2 20.7,49.2 24.1,45.8 24.3,45.8 24.6,45.8 25.6,45.8 25.7,45.9 U4.E1@26.2,45.9
  Bottom Layer w0.2: v2(2.9,54.6) HDR_L1.7@4.4,54.6